# KiCad board panel_4_3.kicad_pcb (continued)
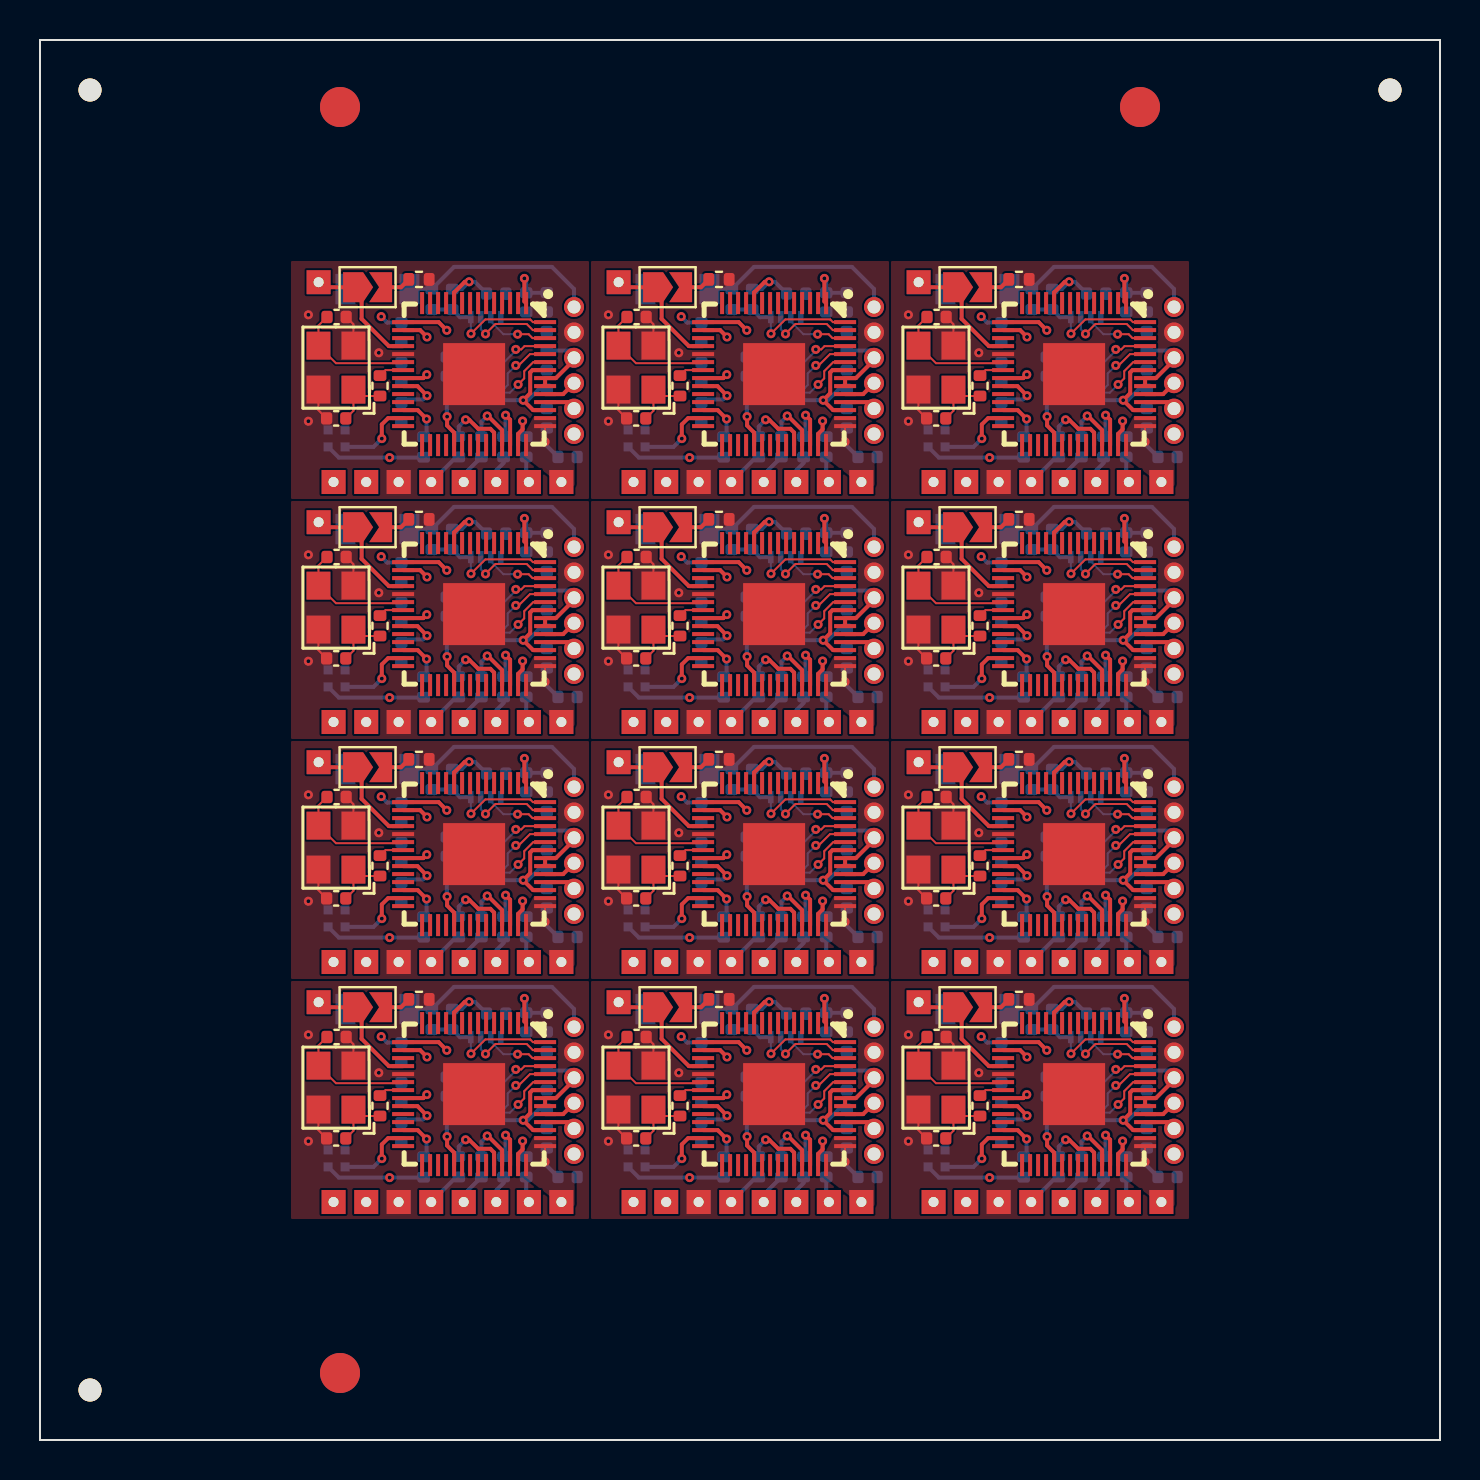
[diagram p0: board, top side]
## Placement (name value [footprint] x y rotation side) (continued)
R5#9  1k  [R_0402_1005Metric]  34.59 21.03 270 bottom
R5#10  1k  [R_0402_1005Metric]  19.59 57.03 270 bottom
R5#11  1k  [R_0402_1005Metric]  34.59 45.03 270 bottom
R5#12  1k  [R_0402_1005Metric]  19.59 33.03 270 bottom
R6  10k  [R_0402_1005Metric]  20.62 33.03 270 bottom
R6#2  10k  [R_0402_1005Metric]  20.62 57.03 270 bottom
R6#3  10k  [R_0402_1005Metric]  35.62 57.03 270 bottom
R6#4  10k  [R_0402_1005Metric]  50.62 57.03 270 bottom
R6#5  10k  [R_0402_1005Metric]  50.62 33.03 270 bottom
R6#6  10k  [R_0402_1005Metric]  20.62 21.03 270 bottom
R6#7  10k  [R_0402_1005Metric]  35.62 21.03 270 bottom
R6#8  10k  [R_0402_1005Metric]  50.62 45.03 270 bottom
R6#9  10k  [R_0402_1005Metric]  50.62 21.03 270 bottom
R6#10  10k  [R_0402_1005Metric]  35.62 33.03 270 bottom
R6#11  10k  [R_0402_1005Metric]  20.62 45.03 270 bottom
R6#12  10k  [R_0402_1005Metric]  35.62 45.03 270 bottom
R8  47  [R_0402_1005Metric]  50.94 25.66 270 bottom
R8#2  47  [R_0402_1005Metric]  50.94 49.66 270 bottom
R8#3  47  [R_0402_1005Metric]  20.94 49.66 270 bottom
R8#4  47  [R_0402_1005Metric]  35.94 37.66 270 bottom
R8#5  47  [R_0402_1005Metric]  50.94 13.66 270 bottom
R8#6  47  [R_0402_1005Metric]  35.94 49.66 270 bottom
R8#7  47  [R_0402_1005Metric]  20.94 37.66 270 bottom
R8#8  47  [R_0402_1005Metric]  20.94 13.66 270 bottom
R8#9  47  [R_0402_1005Metric]  35.94 13.66 270 bottom
R8#10  47  [R_0402_1005Metric]  50.94 37.66 270 bottom
R8#11  47  [R_0402_1005Metric]  20.94 25.66 270 bottom
R8#12  47  [R_0402_1005Metric]  35.94 25.66 270 bottom
R9  47  [R_0402_1005Metric]  52.07 13.66 270 bottom
R9#2  47  [R_0402_1005Metric]  37.07 37.66 270 bottom
R9#3  47  [R_0402_1005Metric]  37.07 25.66 270 bottom
R9#4  47  [R_0402_1005Metric]  37.07 13.66 270 bottom
R9#5  47  [R_0402_1005Metric]  52.07 25.66 270 bottom
R9#6  47  [R_0402_1005Metric]  52.07 49.66 270 bottom
R9#7  47  [R_0402_1005Metric]  52.07 37.66 270 bottom
R9#8  47  [R_0402_1005Metric]  37.07 49.66 270 bottom
R9#9  47  [R_0402_1005Metric]  22.07 13.66 270 bottom
R9#10  47  [R_0402_1005Metric]  22.07 37.66 270 bottom
R9#11  47  [R_0402_1005Metric]  22.07 49.66 270 bottom
R9#12  47  [R_0402_1005Metric]  22.07 25.66 270 bottom
R10  47  [R_0402_1005Metric]  53.18 13.66 270 bottom
R10#2  47  [R_0402_1005Metric]  53.18 49.66 270 bottom
R10#3  47  [R_0402_1005Metric]  38.18 37.66 270 bottom
R10#4  47  [R_0402_1005Metric]  38.18 49.66 270 bottom
R10#5  47  [R_0402_1005Metric]  23.18 25.66 270 bottom
R10#6  47  [R_0402_1005Metric]  23.18 49.66 270 bottom
R10#7  47  [R_0402_1005Metric]  23.18 37.66 270 bottom
R10#8  47  [R_0402_1005Metric]  53.18 37.66 270 bottom
R10#9  47  [R_0402_1005Metric]  53.18 25.66 270 bottom
R10#10  47  [R_0402_1005Metric]  23.18 13.66 270 bottom
R10#11  47  [R_0402_1005Metric]  38.18 13.66 270 bottom
R10#12  47  [R_0402_1005Metric]  38.18 25.66 270 bottom
R11  47  [R_0402_1005Metric]  54.31 37.66 270 bottom
R11#2  47  [R_0402_1005Metric]  39.31 13.66 270 bottom
R11#3  47  [R_0402_1005Metric]  24.31 25.66 270 bottom
R11#4  47  [R_0402_1005Metric]  39.31 37.66 270 bottom
R11#5  47  [R_0402_1005Metric]  24.31 13.66 270 bottom
R11#6  47  [R_0402_1005Metric]  24.31 49.66 270 bottom
R11#7  47  [R_0402_1005Metric]  39.31 25.66 270 bottom
R11#8  47  [R_0402_1005Metric]  54.31 49.66 270 bottom
R11#9  47  [R_0402_1005Metric]  54.31 13.66 270 bottom
R11#10  47  [R_0402_1005Metric]  39.31 49.66 270 bottom
R11#11  47  [R_0402_1005Metric]  24.31 37.66 270 bottom
R11#12  47  [R_0402_1005Metric]  54.31 25.66 270 bottom
R12  10k  [R_0402_1005Metric]  48.95 46.03 0 top
R12#2  10k  [R_0402_1005Metric]  18.95 46.03 0 top
R12#3  10k  [R_0402_1005Metric]  48.95 58.03 0 top
R12#4  10k  [R_0402_1005Metric]  48.95 34.03 0 top
R12#5  10k  [R_0402_1005Metric]  33.95 46.03 0 top
R12#6  10k  [R_0402_1005Metric]  18.95 22.03 0 top
R12#7  10k  [R_0402_1005Metric]  33.95 58.03 0 top
R12#8  10k  [R_0402_1005Metric]  33.95 22.03 0 top
R12#9  10k  [R_0402_1005Metric]  18.95 34.03 0 top
R12#10  10k  [R_0402_1005Metric]  18.95 58.03 0 top
R12#11  10k  [R_0402_1005Metric]  48.95 22.03 0 top
R12#12  10k  [R_0402_1005Metric]  33.95 34.03 0 top
REF**  -  [NPTH]  2.5 67.5 0 top
REF**#2  -  [NPTH]  67.5 67.5 0 top
REF**#3  -  [Fiducial]  15 66.65 0 top
REF**#4  -  [Fiducial]  15 3.35 0 top
REF**#5  -  [Fiducial]  55 66.65 0 top
REF**#6  -  [NPTH]  2.5 2.5 0 top
REF**#7  -  [Fiducial]  55 66.65 0 bottom
REF**#8  -  [Fiducial]  15 3.35 0 bottom
REF**#9  -  [Fiducial]  15 66.65 0 bottom
SW1  EVPAWED40  [KEY-SMD_L3.0-W2.0-LS3.5]  16.87 21.55 180 bottom
SW1#2  EVPAWED40  [KEY-SMD_L3.0-W2.0-LS3.5]  16.87 45.55 180 bottom
SW1#3  EVPAWED40  [KEY-SMD_L3.0-W2.0-LS3.5]  46.87 45.55 180 bottom
SW1#4  EVPAWED40  [KEY-SMD_L3.0-W2.0-LS3.5]  16.87 33.55 180 bottom
SW1#5  EVPAWED40  [KEY-SMD_L3.0-W2.0-LS3.5]  31.87 57.55 180 bottom
SW1#6  EVPAWED40  [KEY-SMD_L3.0-W2.0-LS3.5]  46.87 57.55 180 bottom
SW1#7  EVPAWED40  [KEY-SMD_L3.0-W2.0-LS3.5]  46.87 21.55 180 bottom
SW1#8  EVPAWED40  [KEY-SMD_L3.0-W2.0-LS3.5]  31.87 45.55 180 bottom
SW1#9  EVPAWED40  [KEY-SMD_L3.0-W2.0-LS3.5]  46.87 33.55 180 bottom
SW1#10  EVPAWED40  [KEY-SMD_L3.0-W2.0-LS3.5]  16.87 57.55 180 bottom
SW1#11  EVPAWED40  [KEY-SMD_L3.0-W2.0-LS3.5]  31.87 33.55 180 bottom
SW1#12  EVPAWED40  [KEY-SMD_L3.0-W2.0-LS3.5]  31.87 21.55 180 bottom
U1  RP2040  [LQFN-56_L7.0-W7.0-P0.4-EP]  51.71 29.3 270 top
U1#2  RP2040  [LQFN-56_L7.0-W7.0-P0.4-EP]  36.71 17.3 270 top
U1#3  RP2040  [LQFN-56_L7.0-W7.0-P0.4-EP]  36.71 53.3 270 top
U1#4  RP2040  [LQFN-56_L7.0-W7.0-P0.4-EP]  51.71 17.3 270 top
U1#5  RP2040  [LQFN-56_L7.0-W7.0-P0.4-EP]  51.71 41.3 270 top
U1#6  RP2040  [LQFN-56_L7.0-W7.0-P0.4-EP]  36.71 41.3 270 top
U1#7  RP2040  [LQFN-56_L7.0-W7.0-P0.4-EP]  21.71 17.3 270 top
U1#8  RP2040  [LQFN-56_L7.0-W7.0-P0.4-EP]  51.71 53.3 270 top
U1#9  RP2040  [LQFN-56_L7.0-W7.0-P0.4-EP]  21.71 53.3 270 top
U1#10  RP2040  [LQFN-56_L7.0-W7.0-P0.4-EP]  36.71 29.3 270 top
U1#11  RP2040  [LQFN-56_L7.0-W7.0-P0.4-EP]  21.71 29.3 270 top
U1#12  RP2040  [LQFN-56_L7.0-W7.0-P0.4-EP]  21.71 41.3 270 top
U2  W25Q16JVUXIQ  [USON-8_L3.0-W2.0-P0.50-BL-EP]  52.29 42.63 0 bottom
U2#2  W25Q16JVUXIQ  [USON-8_L3.0-W2.0-P0.50-BL-EP]  37.29 30.63 0 bottom
U2#3  W25Q16JVUXIQ  [USON-8_L3.0-W2.0-P0.50-BL-EP]  22.29 30.63 0 bottom
U2#4  W25Q16JVUXIQ  [USON-8_L3.0-W2.0-P0.50-BL-EP]  37.29 42.63 0 bottom
U2#5  W25Q16JVUXIQ  [USON-8_L3.0-W2.0-P0.50-BL-EP]  22.29 42.63 0 bottom
U2#6  W25Q16JVUXIQ  [USON-8_L3.0-W2.0-P0.50-BL-EP]  22.29 18.63 0 bottom
U2#7  W25Q16JVUXIQ  [USON-8_L3.0-W2.0-P0.50-BL-EP]  37.29 18.63 0 bottom
U2#8  W25Q16JVUXIQ  [USON-8_L3.0-W2.0-P0.50-BL-EP]  37.29 54.63 0 bottom
U2#9  W25Q16JVUXIQ  [USON-8_L3.0-W2.0-P0.50-BL-EP]  52.29 30.63 0 bottom
U2#10  W25Q16JVUXIQ  [USON-8_L3.0-W2.0-P0.50-BL-EP]  52.29 18.63 0 bottom
U2#11  W25Q16JVUXIQ  [USON-8_L3.0-W2.0-P0.50-BL-EP]  22.29 54.63 0 bottom
U2#12  W25Q16JVUXIQ  [USON-8_L3.0-W2.0-P0.50-BL-EP]  52.29 54.63 0 bottom
U5  XL-1010RGBC-WS2812B  [LED-SMD_4P-L1.0-W1.0-TL_XL-1010RGBC-WS2812B]  29.83 14.08 270 bottom
U5#2  XL-1010RGBC-WS2812B  [LED-SMD_4P-L1.0-W1.0-TL_XL-1010RGBC-WS2812B]  44.83 14.08 270 bottom
U5#3  XL-1010RGBC-WS2812B  [LED-SMD_4P-L1.0-W1.0-TL_XL-1010RGBC-WS2812B]  44.83 38.08 270 bottom
U5#4  XL-1010RGBC-WS2812B  [LED-SMD_4P-L1.0-W1.0-TL_XL-1010RGBC-WS2812B]  14.83 14.08 270 bottom
U5#5  XL-1010RGBC-WS2812B  [LED-SMD_4P-L1.0-W1.0-TL_XL-1010RGBC-WS2812B]  29.83 38.08 270 bottom
U5#6  XL-1010RGBC-WS2812B  [LED-SMD_4P-L1.0-W1.0-TL_XL-1010RGBC-WS2812B]  14.83 38.08 270 bottom
U5#7  XL-1010RGBC-WS2812B  [LED-SMD_4P-L1.0-W1.0-TL_XL-1010RGBC-WS2812B]  44.83 26.08 270 bottom
U5#8  XL-1010RGBC-WS2812B  [LED-SMD_4P-L1.0-W1.0-TL_XL-1010RGBC-WS2812B]  44.83 50.08 270 bottom
U5#9  XL-1010RGBC-WS2812B  [LED-SMD_4P-L1.0-W1.0-TL_XL-1010RGBC-WS2812B]  14.83 26.08 270 bottom
U5#10  XL-1010RGBC-WS2812B  [LED-SMD_4P-L1.0-W1.0-TL_XL-1010RGBC-WS2812B]  14.83 50.08 270 bottom
U5#11  XL-1010RGBC-WS2812B  [LED-SMD_4P-L1.0-W1.0-TL_XL-1010RGBC-WS2812B]  29.83 50.08 270 bottom
U5#12  XL-1010RGBC-WS2812B  [LED-SMD_4P-L1.0-W1.0-TL_XL-1010RGBC-WS2812B]  29.83 26.08 270 bottom
X1  SMD-3225_4P_12.000MHZ_9PF  [OSC-SMD_4P-L3.2-W2.5-BL]  44.8 41.62 90 top
X1#2  SMD-3225_4P_12.000MHZ_9PF  [OSC-SMD_4P-L3.2-W2.5-BL]  29.8 29.62 90 top
X1#3  SMD-3225_4P_12.000MHZ_9PF  [OSC-SMD_4P-L3.2-W2.5-BL]  14.8 53.62 90 top
X1#4  SMD-3225_4P_12.000MHZ_9PF  [OSC-SMD_4P-L3.2-W2.5-BL]  44.8 29.62 90 top
X1#5  SMD-3225_4P_12.000MHZ_9PF  [OSC-SMD_4P-L3.2-W2.5-BL]  29.8 41.62 90 top
X1#6  SMD-3225_4P_12.000MHZ_9PF  [OSC-SMD_4P-L3.2-W2.5-BL]  44.8 53.62 90 top
X1#7  SMD-3225_4P_12.000MHZ_9PF  [OSC-SMD_4P-L3.2-W2.5-BL]  14.8 41.62 90 top
X1#8  SMD-3225_4P_12.000MHZ_9PF  [OSC-SMD_4P-L3.2-W2.5-BL]  14.8 29.62 90 top
X1#9  SMD-3225_4P_12.000MHZ_9PF  [OSC-SMD_4P-L3.2-W2.5-BL]  44.8 17.62 90 top
X1#10  SMD-3225_4P_12.000MHZ_9PF  [OSC-SMD_4P-L3.2-W2.5-BL]  14.8 17.62 90 top
X1#11  SMD-3225_4P_12.000MHZ_9PF  [OSC-SMD_4P-L3.2-W2.5-BL]  29.8 17.62 90 top
X1#12  SMD-3225_4P_12.000MHZ_9PF  [OSC-SMD_4P-L3.2-W2.5-BL]  29.8 53.62 90 top

## Library data of the parts
C1 C1#2-C1#12 C3 C3#2-C3#12 = -: Description: 50V 27pF C0G   5% 0402 Multilayer Ceramic Capacitors MLCC - SMD SMT ROHS; LCSC: C1557; MFG: FH(Guangdong Fenghua Advanced Tech); MFGPN: 0402CG270J500NT
C2 C2#2-C2#12 C4 C4#2-C4#12 C7 C7#2-C7#12 C8 C8#2-C8#12 C9 C9#2-C9#12 C10 C10#2-C10#12 C11 C11#2-C11#12 C12 C12#2-C12#12 C13 C13#2-C13#12 C14 C14#2-C14#12 = -: Description: 16V 100nF X7R   10% 0402 Multilayer Ceramic Capacitors MLCC - SMD SMT ROHS; LCSC: C1525; MFG: Samsung Electro-Mechanics; MFGPN: CL05B104KO5NNNC
C5 C5#2-C5#12 C6 C6#2-C6#12 = -: Description: 25V 1uF X5R   10% 0402 Multilayer Ceramic Capacitors MLCC - SMD SMT ROHS; LCSC: C52923; MFG: Samsung Electro-Mechanics; MFGPN: CL05A105KA5NQNC
J1 J1#2-J1#12 J2 J2#2-J2#12 J3 J3#2-J3#12 J4 J4#2-J4#12 J5 J5#2-J5#12 J6 J6#2-J6#12 J7 J7#2-J7#12 J9 J9#2-J9#12 J10 J10#2-J10#12 = -: Description: Generic connector, single row, 01x01, script generated (kicad-library-utils/schlib/autogen/connector/)
J8 J8#2-J8#12 = -: Description: Generic connector, single row, 01x06, script generated (kicad-library-utils/schlib/autogen/connector/)
JP1 JP1#2-JP1#12 = -: Description: Jumper, 2-pole, open
R1 R1#2-R1#12 R5 R5#2-R5#12 = -: Description: 1% 1 16W Thick Film Resistors 50V   100ppm    -55    155   1k   0402 Chip Resistor - Surface Mount ROHS; LCSC: C11702; MFG: UNI-ROYAL(Uniroyal Elec); MFGPN: 0402WGF1001TCE
R2 R2#2-R2#12 R6 R6#2-R6#12 R12 R12#2-R12#12 = -: Description: 1% 1 16W Thick Film Resistors 50V   100ppm    -55    155   10k   0402 Chip Resistor - Surface Mount ROHS; LCSC: C25744; MFG: UNI-ROYAL(Uniroyal Elec); MFGPN: 0402WGF1002TCE
R8 R8#2-R8#12 R9 R9#2-R9#12 R10 R10#2-R10#12 R11 R11#2-R11#12 = -: Description: 1% 1 16W Thick Film Resistors 50V   200ppm    -55    155   47   0402 Chip Resistor - Surface Mount ROHS; LCSC: C25118; MFG: UNI-ROYAL(Uniroyal Elec); MFGPN: 0402WGF470JTCE
SW1 SW1#2-SW1#12 = -: LCSC: C2858607; SuppliersPartNumber: C2858607; uuid: std:b3d2281db68646f2b0685a65c68733f5
U1 U1#2-U1#12 = -: LCSC: C2040; SuppliersPartNumber: C2040; uuid: std:c2754a5dac404cb1b757213b56759c67
U2 U2#2-U2#12 = -: LCSC: C2843335; SuppliersPartNumber: C2843335; uuid: std:66ae94394ed740d3b0137599308f54a6
U5 U5#2 U5#11 = -: LCSC: C5349953; SuppliersPartNumber: C5349953; uuid: std:b345638697f54fed94b7ee83c7589e6a; Field7: DO; Field8: DI
U5#3-U5#10 U5#12 = -: LCSC: C5349953; SuppliersPartNumber: C5349953; uuid: std:b345638697f54fed94b7ee83c7589e6a; Field7: DI; Field8: DO
X1 X1#2-X1#12 = -: LCSC: C362368; SuppliersPartNumber: C362368; uuid: std:de6bf95d1c734ee9b9ab1b97c5f93dbc

## Footprints (pads in the part's own frame, mm; a bottom-side part is the same pattern mirrored in y, then rotated)
C_0402_1005Metric
  rrect 0.56x0.62 smd: 1(-0.48,0) 2(0.48,0)
Fiducial
  round 2 smd: (0,0)
KEY-SMD_L3.0-W2.0-LS3.5
  rect 1x1.524 smd: 1(-1.6,0) 2(1.6,0)
LED-SMD_4P-L1.0-W1.0-TL_XL-1010RGBC-WS2812B
  rect 0.45x0.45 smd: 1(-0.425,0.425) 2(0.425,0.425) 3(-0.425,-0.425) 4(0.425,-0.425)
LQFN-56_L7.0-W7.0-P0.4-EP
  rect 1.1x0.2 smd: 1(-3.55,2.6) 2(-3.55,2.2) 3(-3.55,1.8) 4(-3.55,1.4) 5(-3.55,1) 6(-3.55,0.6) 7(-3.55,0.2) 8(-3.55,-0.2) 9(-3.55,-0.6) 10(-3.55,-1) 11(-3.55,-1.4) 12(-3.55,-1.8) 13(-3.55,-2.2) 14(-3.55,-2.6) 29(3.55,-2.6) 30(3.55,-2.2) 31(3.55,-1.8) 32(3.55,-1.4) 33(3.55,-1) 34(3.55,-0.6) 35(3.55,-0.2) 36(3.55,0.2) 37(3.55,0.6) 38(3.55,1) 39(3.55,1.4) 40(3.55,1.8) 41(3.55,2.2) 42(3.55,2.6)
  rect 0.2x1.1 smd: 15(-2.6,-3.55) 16(-2.2,-3.55) 17(-1.8,-3.55) 18(-1.4,-3.55) 19(-1,-3.55) 20(-0.6,-3.55) 21(-0.2,-3.55) 22(0.2,-3.55) 23(0.6,-3.55) 24(1,-3.55) 25(1.4,-3.55) 26(1.8,-3.55) 27(2.2,-3.55) 28(2.6,-3.55) 43(2.6,3.55) 44(2.2,3.55) 45(1.8,3.55) 46(1.4,3.55) 47(1,3.55) 48(0.6,3.55) 49(0.2,3.55) 50(-0.2,3.55) 51(-0.6,3.55) 52(-1,3.55) 53(-1.4,3.55) 54(-1.8,3.55) 55(-2.2,3.55) 56(-2.6,3.55)
  rect 3.1x3.1 smd: 57(0,0)
NPTH
  round 1.152 hole 1.152 unplated: (0,0)
OSC-SMD_4P-L3.2-W2.5-BL
  rect 1.4x1.2 smd: 1(-1.1,-0.875) 2(1.1,-0.875) 3(1.1,0.875) 4(-1.1,0.875)
ProgPins_1x06_P1.27mm
  oval 1x1 hole 0.65: 1(0,0) 2(0,-1.27) 3(0,-2.54) 4(0,-3.81) 5(0,-5.08) 6(0,-6.35)
R_0402_1005Metric
  rrect 0.54x0.64 smd: 1(-0.51,0) 2(0.51,0)
SolderJumper-2_P1.3mm_Open_TrianglePad1.0x1.5mm_Sm
  custom 1.5x1.5 smd: 1(-0.725,0)
  custom 1.15x1.5 smd: 2(0.725,0)
TH_Pads_1x1_P1.20mml
  rect 1.2x1.2 hole 0.5: 1(0,0)
USON-8_L3.0-W2.0-P0.50-BL-EP
  rect 0.28x0.6 smd: 1(-0.75,-1.507) 2(-0.25,-1.507) 3(0.25,-1.507) 4(0.75,-1.507) 5(0.75,1.507) 6(0.25,1.507) 7(-0.25,1.507) 8(-0.75,1.507)
  rect 1.7x0.3 smd: 9(0,0)

## Nets
Board_0-+1V1: C2#9.1 C4#4.1 C5#5.1 U1#9.23 U1#9.45 U1#9.50
Board_0-+3V3: C6#3.2 C7#4.1 C8#10.1 C9#9.1 C10#12.1 C11#3.1 C12#12.1 C13#2.1 C14#6.1 J8#10.4 J10#2.1 R2#3.1 R6#2.1 U1#9.1 U1#9.10 U1#9.22 U1#9.33 U1#9.42 U1#9.43 U1#9.44 U1#9.48 U1#9.49 U2#11.8 U5#10.2
Board_0-BOOT: J8#10.6 R5#10.1 SW1#10.1
Board_0-D+: J8#10.3 U1#9.47
Board_0-D-: J8#10.2 U1#9.46
Board_0-DBG_CLK: U1#9.24
Board_0-DBG_DAT: U1#9.25
Board_0-GND: C1#9.1 C2#9.2 C3#12.2 C4#4.2 C5#5.2 C6#3.1 C7#4.2 C8#10.2 C9#9.2 C10#12.2 C11#3.2 C12#12.2 C13#2.2 C14#6.2 J8#10.5 J9#4.1 R12#10.2 SW1#10.2 U1#9.19 U1#9.57 U2#11.4 U2#11.9 U5#10.3 X1#3.2 X1#3.4
Board_0-LED_DATA: U1#9.27 U5#10.4
Board_0-Net-(JP1-B): JP1#10.2 R12#10.1
Board_0-Net-(U1-GPIO26_ADC0): R8#3.1 U1#9.38
Board_0-Net-(U1-GPIO27_ADC1): R9#11.1 U1#9.39
Board_0-Net-(U1-GPIO28_ADC2): R10#6.1 U1#9.40
Board_0-Net-(U1-GPIO29_ADC3): R11#6.1 U1#9.41
Board_0-Net-(X1-OSC1): C1#9.2 R1#10.1 X1#3.1
Board_0-NS_CLK: J3#8.1 R9#11.2
Board_0-NS_CMD: J4#5.1 R10#6.2
Board_0-NS_CPU: J1.1 JP1#10.1 U1#9.18
Board_0-NS_D0: J5#5.1 R11#6.2
Board_0-NS_RST: J2#9.1 R8#3.2
Board_0-NS_SCL: J7#5.1 U1#9.16
Board_0-NS_SDA: J6#11.1 U1#9.15
Board_0-QSPI_CS: R5#10.2 R6#2.2 U1#9.56 U2#11.1
Board_0-QSPI_SCK: U1#9.52 U2#11.6
Board_0-QSPI_SD0: U1#9.53 U2#11.5
Board_0-QSPI_SD1: U1#9.55 U2#11.2
Board_0-QSPI_SD2: U1#9.54 U2#11.3
Board_0-QSPI_SD3: U1#9.51 U2#11.7
Board_0-RST: J8#10.1 R2#3.2 U1#9.26
Board_0-unconnected-(U1-GPIO0-Pad2): U1#9.2
Board_0-unconnected-(U1-GPIO1-Pad3): U1#9.3
Board_0-unconnected-(U1-GPIO2-Pad4): U1#9.4
Board_0-unconnected-(U1-GPIO3-Pad5): U1#9.5
Board_0-unconnected-(U1-GPIO4-Pad6): U1#9.6
Board_0-unconnected-(U1-GPIO5-Pad7): U1#9.7
Board_0-unconnected-(U1-GPIO6-Pad8): U1#9.8
Board_0-unconnected-(U1-GPIO7-Pad9): U1#9.9
Board_0-unconnected-(U1-GPIO8-Pad11): U1#9.11
Board_0-unconnected-(U1-GPIO9-Pad12): U1#9.12
Board_0-unconnected-(U1-GPIO10-Pad13): U1#9.13
Board_0-unconnected-(U1-GPIO11-Pad14): U1#9.14
Board_0-unconnected-(U1-GPIO14-Pad17): U1#9.17
Board_0-unconnected-(U1-GPIO17-Pad28): U1#9.28
Board_0-unconnected-(U1-GPIO18-Pad29): U1#9.29
Board_0-unconnected-(U1-GPIO19-Pad30): U1#9.30
Board_0-unconnected-(U1-GPIO20-Pad31): U1#9.31
Board_0-unconnected-(U1-GPIO21-Pad32): U1#9.32
Board_0-unconnected-(U1-GPIO22-Pad34): U1#9.34
Board_0-unconnected-(U1-GPIO23-Pad35): U1#9.35
Board_0-unconnected-(U1-GPIO24-Pad36): U1#9.36
Board_0-unconnected-(U1-GPIO25-Pad37): U1#9.37
Board_0-unconnected-(U5-DOUT-Pad1): U5#10.1
Board_0-XIN: C3#12.1 U1#9.20 X1#3.3
Board_0-XOUT: R1#10.2 U1#9.21
Board_1-+1V1: C2#10.1 C4#5.1 C5#2.1 U1#3.23 U1#3.45 U1#3.50
Board_1-+3V3: C6#12.2 C7#2.1 C8#12.1 C9#4.1 C10#3.1 C11#6.1 C12#6.1 C13#10.1 C14#12.1 J8#6.4 J10#11.1 R2#5.1 R6#3.1 U1#3.1 U1#3.10 U1#3.22 U1#3.33 U1#3.42 U1#3.43 U1#3.44 U1#3.48 U1#3.49 U2#8.8 U5#11.2
Board_1-BOOT: J8#6.6 R5#6.1 SW1#5.1
Board_1-D+: J8#6.3 U1#3.47
Board_1-D-: J8#6.2 U1#3.46
Board_1-DBG_CLK: U1#3.24
Board_1-DBG_DAT: U1#3.25
Board_1-GND: C1#6.1 C2#10.2 C3#8.2 C4#5.2 C5#2.2 C6#12.1 C7#2.2 C8#12.2 C9#4.2 C10#3.2 C11#6.2 C12#6.2 C13#10.2 C14#12.2 J8#6.5 J9#5.1 R12#7.2 SW1#5.2 U1#3.19 U1#3.57 U2#8.4 U2#8.9 U5#11.3 X1#12.2 X1#12.4
Board_1-LED_DATA: U1#3.27 U5#11.4
Board_1-Net-(JP1-B): JP1#12.2 R12#7.1
Board_1-Net-(U1-GPIO26_ADC0): R8#6.1 U1#3.38
Board_1-Net-(U1-GPIO27_ADC1): R9#8.1 U1#3.39
Board_1-Net-(U1-GPIO28_ADC2): R10#4.1 U1#3.40
Board_1-Net-(U1-GPIO29_ADC3): R11#10.1 U1#3.41
Board_1-Net-(X1-OSC1): C1#6.2 R1#2.1 X1#12.1
Board_1-NS_CLK: J3#6.1 R9#8.2
Board_1-NS_CMD: J4#3.1 R10#4.2
Board_1-NS_CPU: J1#9.1 JP1#12.1 U1#3.18
Board_1-NS_D0: J5#10.1 R11#10.2
Board_1-NS_RST: J2#3.1 R8#6.2
Board_1-NS_SCL: J7#9.1 U1#3.16
Board_1-NS_SDA: J6.1 U1#3.15
Board_1-QSPI_CS: R5#6.2 R6#3.2 U1#3.56 U2#8.1
Board_1-QSPI_SCK: U1#3.52 U2#8.6
Board_1-QSPI_SD0: U1#3.53 U2#8.5
Board_1-QSPI_SD1: U1#3.55 U2#8.2
Board_1-QSPI_SD2: U1#3.54 U2#8.3
Board_1-QSPI_SD3: U1#3.51 U2#8.7
Board_1-RST: J8#6.1 R2#5.2 U1#3.26
Board_1-unconnected-(U1-GPIO0-Pad2): U1#3.2
Board_1-unconnected-(U1-GPIO1-Pad3): U1#3.3
Board_1-unconnected-(U1-GPIO2-Pad4): U1#3.4
Board_1-unconnected-(U1-GPIO3-Pad5): U1#3.5
Board_1-unconnected-(U1-GPIO4-Pad6): U1#3.6
Board_1-unconnected-(U1-GPIO5-Pad7): U1#3.7
Board_1-unconnected-(U1-GPIO6-Pad8): U1#3.8
Board_1-unconnected-(U1-GPIO7-Pad9): U1#3.9
Board_1-unconnected-(U1-GPIO8-Pad11): U1#3.11
Board_1-unconnected-(U1-GPIO9-Pad12): U1#3.12
Board_1-unconnected-(U1-GPIO10-Pad13): U1#3.13
Board_1-unconnected-(U1-GPIO11-Pad14): U1#3.14
Board_1-unconnected-(U1-GPIO14-Pad17): U1#3.17
Board_1-unconnected-(U1-GPIO17-Pad28): U1#3.28
Board_1-unconnected-(U1-GPIO18-Pad29): U1#3.29
Board_1-unconnected-(U1-GPIO19-Pad30): U1#3.30
Board_1-unconnected-(U1-GPIO20-Pad31): U1#3.31
Board_1-unconnected-(U1-GPIO21-Pad32): U1#3.32
Board_1-unconnected-(U1-GPIO22-Pad34): U1#3.34
Board_1-unconnected-(U1-GPIO23-Pad35): U1#3.35
Board_1-unconnected-(U1-GPIO24-Pad36): U1#3.36
Board_1-unconnected-(U1-GPIO25-Pad37): U1#3.37
Board_1-unconnected-(U5-DOUT-Pad1): U5#11.1
Board_1-XIN: C3#8.1 U1#3.20 X1#12.3
Board_1-XOUT: R1#2.2 U1#3.21
Board_2-+1V1: C2#6.1 C4#6.1 C5#6.1 U1#8.23 U1#8.45 U1#8.50
Board_2-+3V3: C6#2.2 C7#10.1 C8#5.1 C9.1 C10#5.1 C11#4.1 C12#7.1 C13#4.1 C14#2.1 J8#8.4 J10.1 R2.1 R6#4.1 U1#8.1 U1#8.10 U1#8.22 U1#8.33 U1#8.42 U1#8.43 U1#8.44 U1#8.48 U1#8.49 U2#12.8 U5#8.2
Board_2-BOOT: J8#8.6 R5#7.1 SW1#6.1
Board_2-D+: J8#8.3 U1#8.47
Board_2-D-: J8#8.2 U1#8.46
Board_2-DBG_CLK: U1#8.24
Board_2-DBG_DAT: U1#8.25
Board_2-GND: C1#12.1 C2#6.2 C3#10.2 C4#6.2 C5#6.2 C6#2.1 C7#10.2 C8#5.2 C9.2 C10#5.2 C11#4.2 C12#7.2 C13#4.2 C14#2.2 J8#8.5 J9.1 R12#3.2 SW1#6.2 U1#8.19 U1#8.57 U2#12.4 U2#12.9 U5#8.3 X1#6.2 X1#6.4
Board_2-LED_DATA: U1#8.27 U5#8.4
Board_2-Net-(JP1-B): JP1#9.2 R12#3.1
Board_2-Net-(U1-GPIO26_ADC0): R8#2.1 U1#8.38
Board_2-Net-(U1-GPIO27_ADC1): R9#6.1 U1#8.39
Board_2-Net-(U1-GPIO28_ADC2): R10#2.1 U1#8.40
Board_2-Net-(U1-GPIO29_ADC3): R11#8.1 U1#8.41
Board_2-Net-(X1-OSC1): C1#12.2 R1#8.1 X1#6.1
Board_2-NS_CLK: J3#11.1 R9#6.2
Board_2-NS_CMD: J4#12.1 R10#2.2
Board_2-NS_CPU: J1#7.1 JP1#9.1 U1#8.18
Board_2-NS_D0: J5#6.1 R11#8.2
Board_2-NS_RST: J2#5.1 R8#2.2
Board_2-NS_SCL: J7#12.1 U1#8.16
Board_2-NS_SDA: J6#9.1 U1#8.15
Board_2-QSPI_CS: R5#7.2 R6#4.2 U1#8.56 U2#12.1
Board_2-QSPI_SCK: U1#8.52 U2#12.6
Board_2-QSPI_SD0: U1#8.53 U2#12.5
Board_2-QSPI_SD1: U1#8.55 U2#12.2
Board_2-QSPI_SD2: U1#8.54 U2#12.3
Board_2-QSPI_SD3: U1#8.51 U2#12.7
Board_2-RST: J8#8.1 R2.2 U1#8.26
Board_2-unconnected-(U1-GPIO0-Pad2): U1#8.2
Board_2-unconnected-(U1-GPIO1-Pad3): U1#8.3
Board_2-unconnected-(U1-GPIO2-Pad4): U1#8.4
Board_2-unconnected-(U1-GPIO3-Pad5): U1#8.5
Board_2-unconnected-(U1-GPIO4-Pad6): U1#8.6
Board_2-unconnected-(U1-GPIO5-Pad7): U1#8.7
Board_2-unconnected-(U1-GPIO6-Pad8): U1#8.8
Board_2-unconnected-(U1-GPIO7-Pad9): U1#8.9
Board_2-unconnected-(U1-GPIO8-Pad11): U1#8.11
Board_2-unconnected-(U1-GPIO9-Pad12): U1#8.12
Board_2-unconnected-(U1-GPIO10-Pad13): U1#8.13
Board_2-unconnected-(U1-GPIO11-Pad14): U1#8.14
Board_2-unconnected-(U1-GPIO14-Pad17): U1#8.17
Board_2-unconnected-(U1-GPIO17-Pad28): U1#8.28
Board_2-unconnected-(U1-GPIO18-Pad29): U1#8.29
Board_2-unconnected-(U1-GPIO19-Pad30): U1#8.30
Board_2-unconnected-(U1-GPIO20-Pad31): U1#8.31
Board_2-unconnected-(U1-GPIO21-Pad32): U1#8.32
Board_2-unconnected-(U1-GPIO22-Pad34): U1#8.34
Board_2-unconnected-(U1-GPIO23-Pad35): U1#8.35
Board_2-unconnected-(U1-GPIO24-Pad36): U1#8.36
Board_2-unconnected-(U1-GPIO25-Pad37): U1#8.37
Board_2-unconnected-(U5-DOUT-Pad1): U5#8.1
Board_2-XIN: C3#10.1 U1#8.20 X1#6.3
Board_2-XOUT: R1#8.2 U1#8.21
Board_3-+1V1: C2#3.1 C4#3.1 C5#10.1 U1#12.23 U1#12.45 U1#12.50
Board_3-+3V3: C6#11.2 C7#8.1 C8#11.1 C9#8.1 C10#2.1 C11#11.1 C12.1 C13#3.1 C14#4.1 J8#2.4 J10#9.1 R2#10.1 R6#11.1 U1#12.1 U1#12.10 U1#12.22 U1#12.33 U1#12.42 U1#12.43 U1#12.44 U1#12.48 U1#12.49 U2#5.8 U5#6.2
Board_3-BOOT: J8#2.6 R5#5.1 SW1#2.1
Board_3-D+: J8#2.3 U1#12.47
Board_3-D-: J8#2.2 U1#12.46
Board_3-DBG_CLK: U1#12.24
Board_3-DBG_DAT: U1#12.25
Board_3-GND: C1#11.1 C2#3.2 C3#2.2 C4#3.2 C5#10.2 C6#11.1 C7#8.2 C8#11.2 C9#8.2 C10#2.2 C11#11.2 C12.2 C13#3.2 C14#4.2 J8#2.5 J9#6.1 R12#2.2 SW1#2.2 U1#12.19 U1#12.57 U2#5.4 U2#5.9 U5#6.3 X1#7.2 X1#7.4
Board_3-LED_DATA: U1#12.27 U5#6.4
Board_3-Net-(JP1-B): JP1#8.2 R12#2.1
Board_3-Net-(U1-GPIO26_ADC0): R8#7.1 U1#12.38
Board_3-Net-(U1-GPIO27_ADC1): R9#10.1 U1#12.39
Board_3-Net-(U1-GPIO28_ADC2): R10#7.1 U1#12.40
Board_3-Net-(U1-GPIO29_ADC3): R11#11.1 U1#12.41
Board_3-Net-(X1-OSC1): C1#11.2 R1#4.1 X1#7.1
Board_3-NS_CLK: J3#12.1 R9#10.2
Board_3-NS_CMD: J4#8.1 R10#7.2
Board_3-NS_CPU: J1#3.1 JP1#8.1 U1#12.18
Board_3-NS_D0: J5#9.1 R11#11.2
Board_3-NS_RST: J2.1 R8#7.2
Board_3-NS_SCL: J7#3.1 U1#12.16
Board_3-NS_SDA: J6#3.1 U1#12.15
Board_3-QSPI_CS: R5#5.2 R6#11.2 U1#12.56 U2#5.1
Board_3-QSPI_SCK: U1#12.52 U2#5.6
Board_3-QSPI_SD0: U1#12.53 U2#5.5
Board_3-QSPI_SD1: U1#12.55 U2#5.2
Board_3-QSPI_SD2: U1#12.54 U2#5.3
Board_3-QSPI_SD3: U1#12.51 U2#5.7
Board_3-RST: J8#2.1 R2#10.2 U1#12.26
Board_3-unconnected-(U1-GPIO0-Pad2): U1#12.2
Board_3-unconnected-(U1-GPIO1-Pad3): U1#12.3
Board_3-unconnected-(U1-GPIO2-Pad4): U1#12.4
Board_3-unconnected-(U1-GPIO3-Pad5): U1#12.5
Board_3-unconnected-(U1-GPIO4-Pad6): U1#12.6
Board_3-unconnected-(U1-GPIO5-Pad7): U1#12.7
Board_3-unconnected-(U1-GPIO6-Pad8): U1#12.8
Board_3-unconnected-(U1-GPIO7-Pad9): U1#12.9
Board_3-unconnected-(U1-GPIO8-Pad11): U1#12.11
Board_3-unconnected-(U1-GPIO9-Pad12): U1#12.12
Board_3-unconnected-(U1-GPIO10-Pad13): U1#12.13
Board_3-unconnected-(U1-GPIO11-Pad14): U1#12.14
Board_3-unconnected-(U1-GPIO14-Pad17): U1#12.17
Board_3-unconnected-(U1-GPIO17-Pad28): U1#12.28
Board_3-unconnected-(U1-GPIO18-Pad29): U1#12.29
Board_3-unconnected-(U1-GPIO19-Pad30): U1#12.30
Board_3-unconnected-(U1-GPIO20-Pad31): U1#12.31
Board_3-unconnected-(U1-GPIO21-Pad32): U1#12.32
Board_3-unconnected-(U1-GPIO22-Pad34): U1#12.34
Board_3-unconnected-(U1-GPIO23-Pad35): U1#12.35
Board_3-unconnected-(U1-GPIO24-Pad36): U1#12.36
Board_3-unconnected-(U1-GPIO25-Pad37): U1#12.37
Board_3-unconnected-(U5-DOUT-Pad1): U5#6.1
Board_3-XIN: C3#2.1 U1#12.20 X1#7.3
Board_3-XOUT: R1#4.2 U1#12.21
Board_4-+1V1: C2#5.1 C4#2.1 C5#9.1 U1#6.23 U1#6.45 U1#6.50
Board_4-+3V3: C6#6.2 C7#3.1 C8#6.1 C9#11.1 C10#11.1 C11#12.1 C12#11.1 C13#8.1 C14#5.1 J8#12.4 J10#12.1 R2#4.1 R6#12.1 U1#6.1 U1#6.10 U1#6.22 U1#6.33 U1#6.42 U1#6.43 U1#6.44 U1#6.48 U1#6.49 U2#4.8 U5#5.2
Board_4-BOOT: J8#12.6 R5#11.1 SW1#8.1
Board_4-D+: J8#12.3 U1#6.47
Board_4-D-: J8#12.2 U1#6.46
Board_4-DBG_CLK: U1#6.24
Board_4-DBG_DAT: U1#6.25
Board_4-GND: C1#10.1 C2#5.2 C3#6.2 C4#2.2 C5#9.2 C6#6.1 C7#3.2 C8#6.2 C9#11.2 C10#11.2 C11#12.2 C12#11.2 C13#8.2 C14#5.2 J8#12.5 J9#9.1 R12#5.2 SW1#8.2 U1#6.19 U1#6.57 U2#4.4 U2#4.9 U5#5.3 X1#5.2 X1#5.4
Board_4-LED_DATA: U1#6.27 U5#5.4
Board_4-Net-(JP1-B): JP1#7.2 R12#5.1
Board_4-Net-(U1-GPIO26_ADC0): R8#4.1 U1#6.38
Board_4-Net-(U1-GPIO27_ADC1): R9#2.1 U1#6.39
Board_4-Net-(U1-GPIO28_ADC2): R10#3.1 U1#6.40
Board_4-Net-(U1-GPIO29_ADC3): R11#4.1 U1#6.41
Board_4-Net-(X1-OSC1): C1#10.2 R1#12.1 X1#5.1
Board_4-NS_CLK: J3#2.1 R9#2.2
Board_4-NS_CMD: J4#2.1 R10#3.2
Board_4-NS_CPU: J1#12.1 JP1#7.1 U1#6.18
Board_4-NS_D0: J5#4.1 R11#4.2
Board_4-NS_RST: J2#10.1 R8#4.2
Board_4-NS_SCL: J7#2.1 U1#6.16
Board_4-NS_SDA: J6#5.1 U1#6.15
Board_4-QSPI_CS: R5#11.2 R6#12.2 U1#6.56 U2#4.1
Board_4-QSPI_SCK: U1#6.52 U2#4.6
Board_4-QSPI_SD0: U1#6.53 U2#4.5
Board_4-QSPI_SD1: U1#6.55 U2#4.2
Board_4-QSPI_SD2: U1#6.54 U2#4.3
Board_4-QSPI_SD3: U1#6.51 U2#4.7
Board_4-RST: J8#12.1 R2#4.2 U1#6.26
Board_4-unconnected-(U1-GPIO0-Pad2): U1#6.2
Board_4-unconnected-(U1-GPIO1-Pad3): U1#6.3
Board_4-unconnected-(U1-GPIO2-Pad4): U1#6.4
Board_4-unconnected-(U1-GPIO3-Pad5): U1#6.5
Board_4-unconnected-(U1-GPIO4-Pad6): U1#6.6
Board_4-unconnected-(U1-GPIO5-Pad7): U1#6.7
Board_4-unconnected-(U1-GPIO6-Pad8): U1#6.8
Board_4-unconnected-(U1-GPIO7-Pad9): U1#6.9
Board_4-unconnected-(U1-GPIO8-Pad11): U1#6.11
Board_4-unconnected-(U1-GPIO9-Pad12): U1#6.12
Board_4-unconnected-(U1-GPIO10-Pad13): U1#6.13
Board_4-unconnected-(U1-GPIO11-Pad14): U1#6.14
Board_4-unconnected-(U1-GPIO14-Pad17): U1#6.17
Board_4-unconnected-(U1-GPIO17-Pad28): U1#6.28
Board_4-unconnected-(U1-GPIO18-Pad29): U1#6.29
Board_4-unconnected-(U1-GPIO19-Pad30): U1#6.30
Board_4-unconnected-(U1-GPIO20-Pad31): U1#6.31
Board_4-unconnected-(U1-GPIO21-Pad32): U1#6.32
Board_4-unconnected-(U1-GPIO22-Pad34): U1#6.34
Board_4-unconnected-(U1-GPIO23-Pad35): U1#6.35
Board_4-unconnected-(U1-GPIO24-Pad36): U1#6.36
Board_4-unconnected-(U1-GPIO25-Pad37): U1#6.37
Board_4-unconnected-(U5-DOUT-Pad1): U5#5.1
Board_4-XIN: C3#6.1 U1#6.20 X1#5.3
Board_4-XOUT: R1#12.2 U1#6.21
Board_5-+1V1: C2#11.1 C4#8.1 C5.1 U1#5.23 U1#5.45 U1#5.50
Board_5-+3V3: C6#7.2 C7#5.1 C8.1 C9#5.1 C10#4.1 C11.1 C12#5.1 C13.1 C14#9.1 J8#9.4 J10#5.1 R2#7.1 R6#8.1 U1#5.1 U1#5.10 U1#5.22 U1#5.33 U1#5.42 U1#5.43 U1#5.44 U1#5.48 U1#5.49 U2.8 U5#3.2
Board_5-BOOT: J8#9.6 R5#2.1 SW1#3.1
Board_5-D+: J8#9.3 U1#5.47
Board_5-D-: J8#9.2 U1#5.46
Board_5-DBG_CLK: U1#5.24
Board_5-DBG_DAT: U1#5.25
Board_5-GND: C1.1 C2#11.2 C3#5.2 C4#8.2 C5.2 C6#7.1 C7#5.2 C8.2 C9#5.2 C10#4.2 C11.2 C12#5.2 C13.2 C14#9.2 J8#9.5 J9#2.1 R12.2 SW1#3.2 U1#5.19 U1#5.57 U2.4 U2.9 U5#3.3 X1.2 X1.4
Board_5-LED_DATA: U1#5.27 U5#3.4
Board_5-Net-(JP1-B): JP1.2 R12.1
Board_5-Net-(U1-GPIO26_ADC0): R8#10.1 U1#5.38
Board_5-Net-(U1-GPIO27_ADC1): R9#7.1 U1#5.39
Board_5-Net-(U1-GPIO28_ADC2): R10#8.1 U1#5.40
Board_5-Net-(U1-GPIO29_ADC3): R11.1 U1#5.41
Board_5-Net-(X1-OSC1): C1.2 R1#11.1 X1.1
Board_5-NS_CLK: J3#10.1 R9#7.2
Board_5-NS_CMD: J4#4.1 R10#8.2
Board_5-NS_CPU: J1#5.1 JP1.1 U1#5.18
Board_5-NS_D0: J5#3.1 R11.2
Board_5-NS_RST: J2#2.1 R8#10.2
Board_5-NS_SCL: J7#11.1 U1#5.16
Board_5-NS_SDA: J6#12.1 U1#5.15
Board_5-QSPI_CS: R5#2.2 R6#8.2 U1#5.56 U2.1
Board_5-QSPI_SCK: U1#5.52 U2.6
Board_5-QSPI_SD0: U1#5.53 U2.5
Board_5-QSPI_SD1: U1#5.55 U2.2
Board_5-QSPI_SD2: U1#5.54 U2.3
Board_5-QSPI_SD3: U1#5.51 U2.7
Board_5-RST: J8#9.1 R2#7.2 U1#5.26
Board_5-unconnected-(U1-GPIO0-Pad2): U1#5.2
Board_5-unconnected-(U1-GPIO1-Pad3): U1#5.3
Board_5-unconnected-(U1-GPIO2-Pad4): U1#5.4
Board_5-unconnected-(U1-GPIO3-Pad5): U1#5.5
Board_5-unconnected-(U1-GPIO4-Pad6): U1#5.6
Board_5-unconnected-(U1-GPIO5-Pad7): U1#5.7
Board_5-unconnected-(U1-GPIO6-Pad8): U1#5.8
Board_5-unconnected-(U1-GPIO7-Pad9): U1#5.9
Board_5-unconnected-(U1-GPIO8-Pad11): U1#5.11
Board_5-unconnected-(U1-GPIO9-Pad12): U1#5.12
Board_5-unconnected-(U1-GPIO10-Pad13): U1#5.13
Board_5-unconnected-(U1-GPIO11-Pad14): U1#5.14
Board_5-unconnected-(U1-GPIO14-Pad17): U1#5.17
Board_5-unconnected-(U1-GPIO17-Pad28): U1#5.28
Board_5-unconnected-(U1-GPIO18-Pad29): U1#5.29
Board_5-unconnected-(U1-GPIO19-Pad30): U1#5.30
Board_5-unconnected-(U1-GPIO20-Pad31): U1#5.31
Board_5-unconnected-(U1-GPIO21-Pad32): U1#5.32
Board_5-unconnected-(U1-GPIO22-Pad34): U1#5.34
Board_5-unconnected-(U1-GPIO23-Pad35): U1#5.35
Board_5-unconnected-(U1-GPIO24-Pad36): U1#5.36
Board_5-unconnected-(U1-GPIO25-Pad37): U1#5.37
Board_5-unconnected-(U5-DOUT-Pad1): U5#3.1
Board_5-XIN: C3#5.1 U1#5.20 X1.3
Board_5-XOUT: R1#11.2 U1#5.21
Board_6-+1V1: C2#7.1 C4#12.1 C5#12.1 U1#11.23 U1#11.45 U1#11.50
Board_6-+3V3: C6#10.2 C7#11.1 C8#7.1 C9#3.1 C10#8.1 C11#5.1 C12#8.1 C13#7.1 C14.1 J8#4.4 J10#10.1 R2#9.1 R6.1 U1#11.1 U1#11.10 U1#11.22 U1#11.33 U1#11.42 U1#11.43 U1#11.44 U1#11.48 U1#11.49 U2#3.8 U5#9.2
Board_6-BOOT: J8#4.6 R5#12.1 SW1#4.1
Board_6-D+: J8#4.3 U1#11.47
Board_6-D-: J8#4.2 U1#11.46
Board_6-DBG_CLK: U1#11.24
